# Altium PCB Archimajor.PcbDoc (part 6 of 13)
Units mil, origin at the board's own origin, x right, y up, seen from the top; angles counter-clockwise.
Board outline 7480.32 x 5511.81 mil, 6 copper layers (Top Layer, Top GND, Power Plane, Mid1, Bot GND, Bottom Layer), stack 69.913 mil thick; 1038 components, 682 nets, 3229 pads, 2870 vias.
Unrouted connection lines stored in the file: 97.
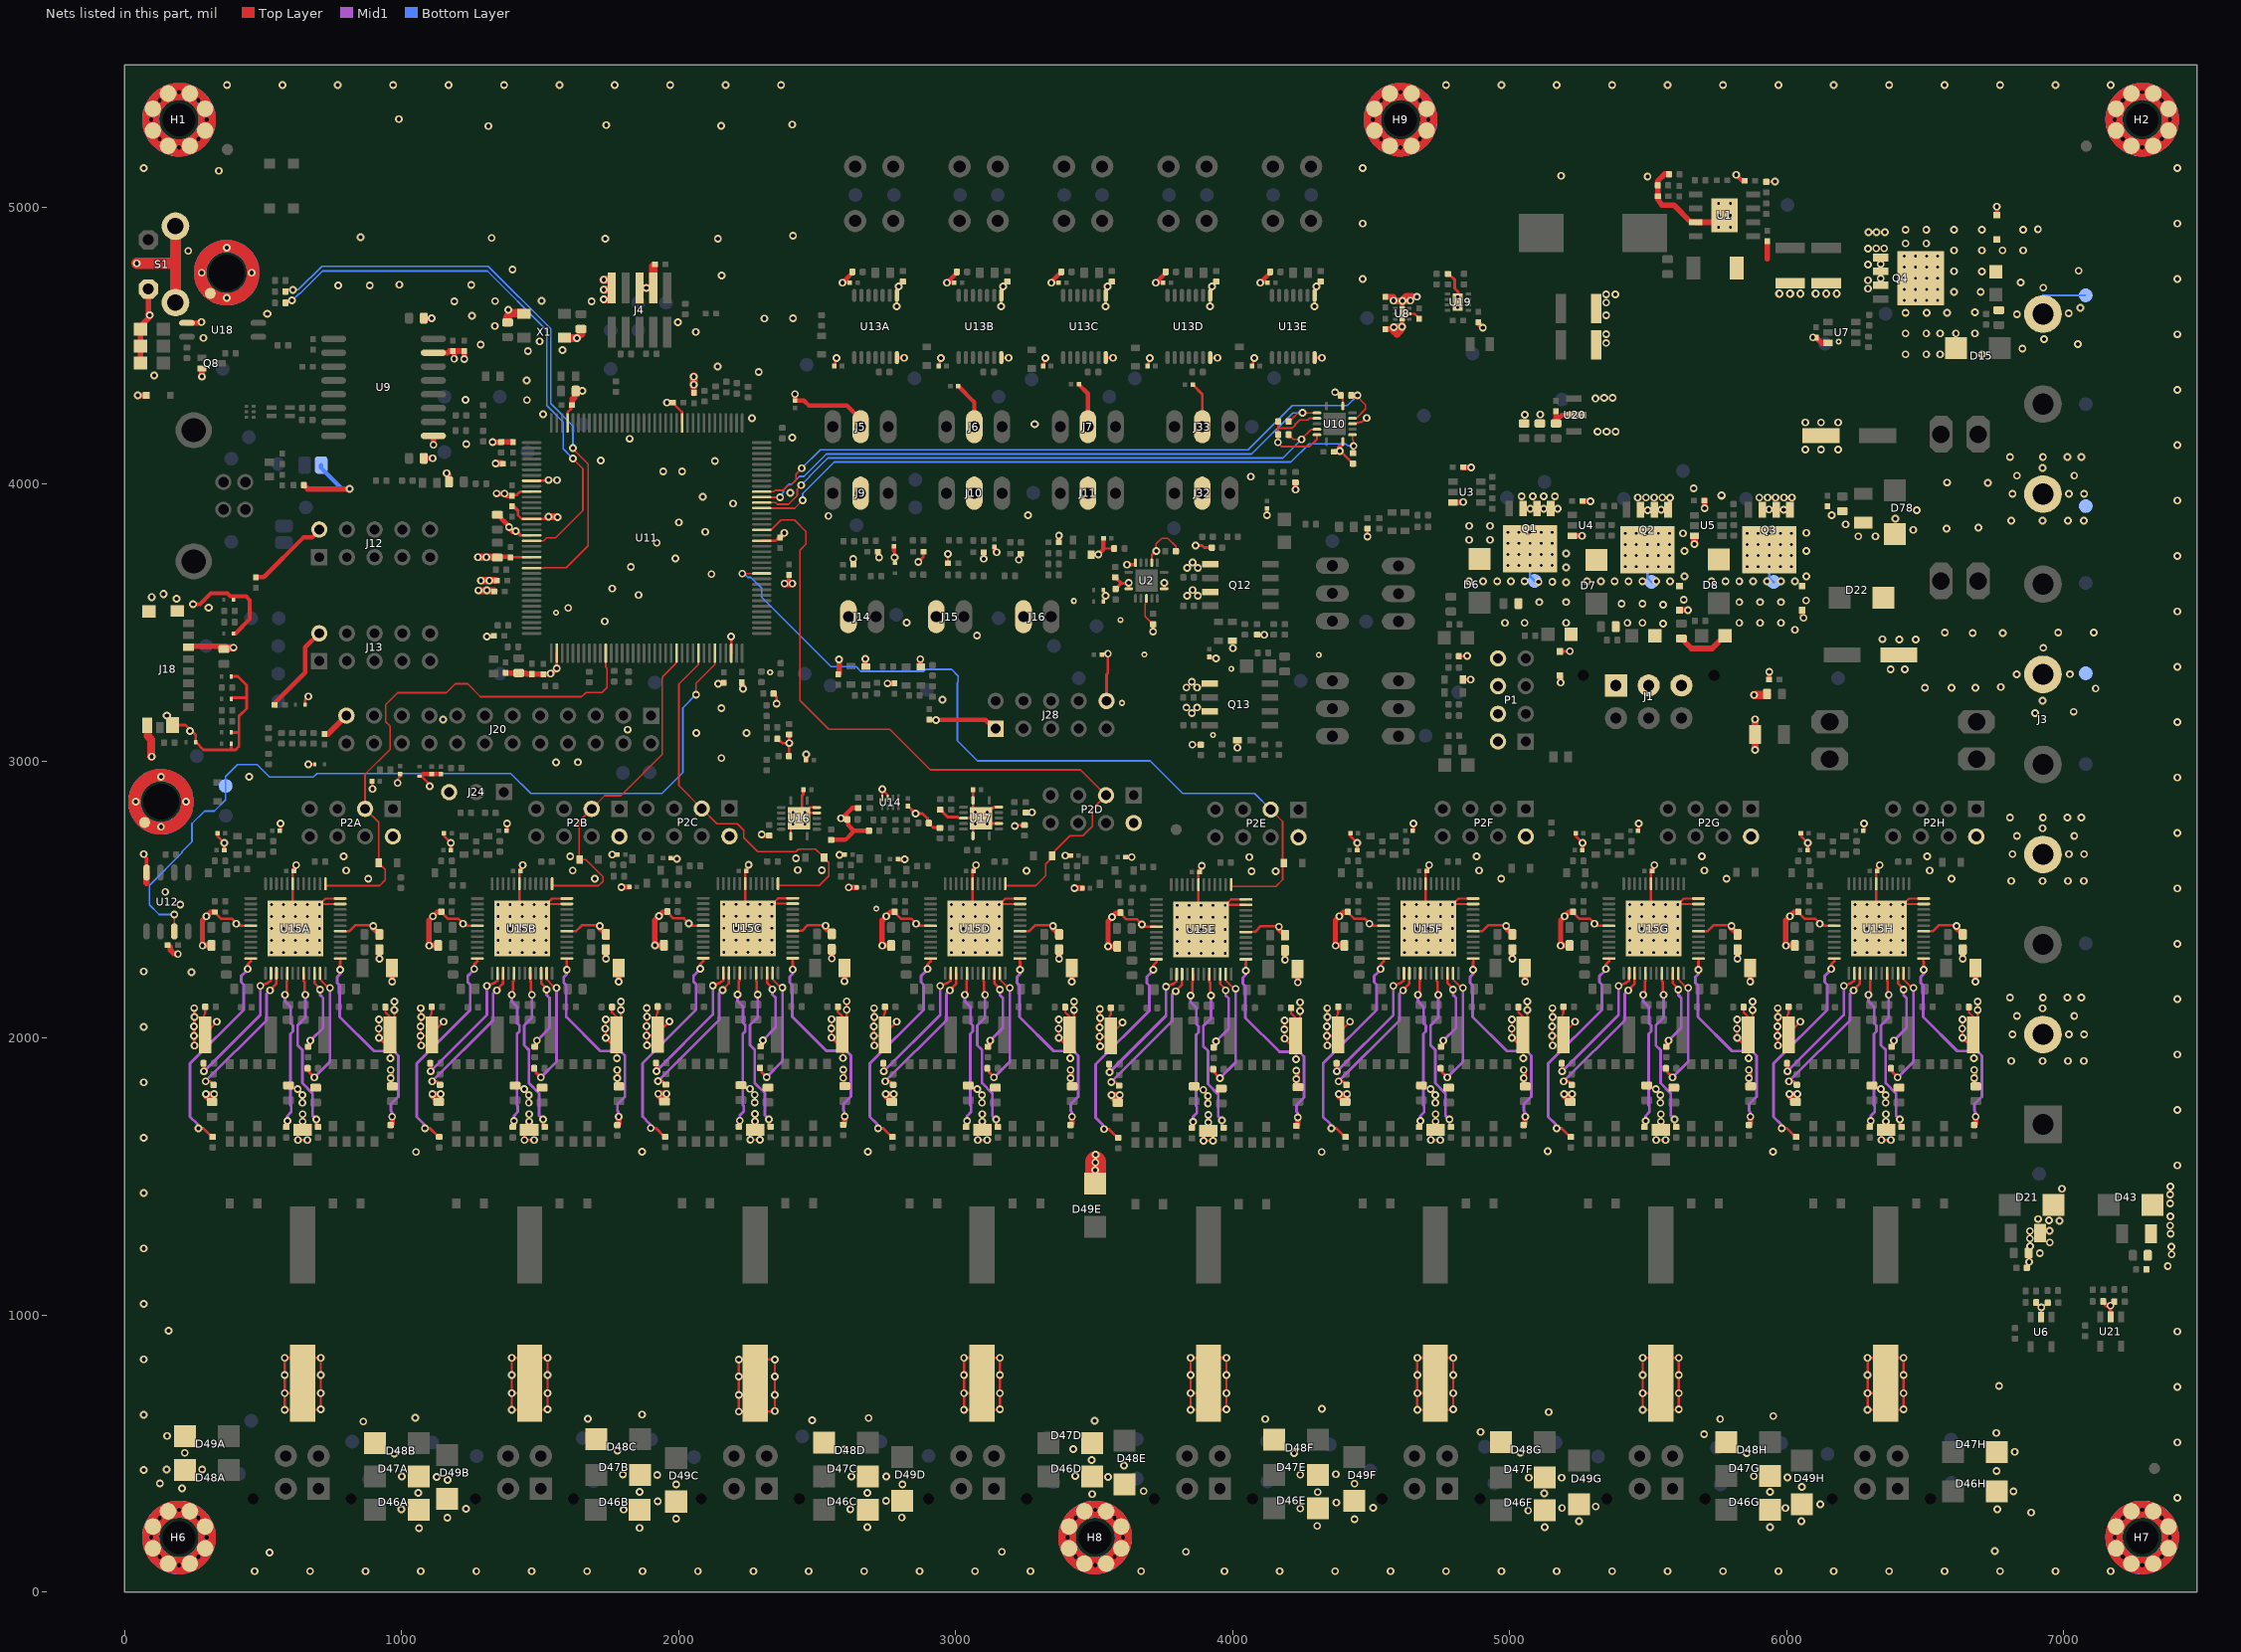
[diagram p10: the nets of this part, all layers, seen from the top]

## Via types
v1: diameter 28, hole 15, Top Layer to Bottom Layer, tented both sides, 2412 vias
v2: diameter 22, hole 10, Top Layer to Bottom Layer, 302 vias
v3: diameter 28, hole 15, Top Layer to Bottom Layer, 113 vias
v4: diameter 29, hole 15, Top Layer to Bottom Layer, tented both sides, 16 vias
v5: diameter 30, hole 15, Top Layer to Bottom Layer, 16 vias
v6: diameter 22, hole 10, Top Layer to Bottom Layer, tented both sides, 11 vias

## Nets (pads, with @x,y where several pads share a name; then routed paths per layer and width w, separated by ;. In a path a pad name is that pad's centre, name@x,y a point inside that pad or via, vN(x,y) a via of type N, cw(c..) or ccw(c..) an arc to the next point about the centre after c; other vN are vias at no path point) (continued)
GND: (continued)
  other v1: 470,75 670,75 870,75 1070,75 1270,75 1470,75 1670,75 1870,75 2070,75 2270,75 2470,75 2670,75 2870,75 3070,75 3270,75 3670,75 3970,75 4170,75 4370,75 4570,75 4770,75 4970,75 5170,75 5370,75 5570,75 5770,75 5970,75 6170,75 6370,75 6570,75 6770,75 6970,75 7170,75 524.16,142.74 3167.24,144.72 3831.61,144.72 6750.9,147.42 1062.91,230.35 1859.17,231.34 2682.01,234.29 5126.89,234.29 5939.92,234.29 4305.04,238.23 5250.18,254.96 6053.07,254.96 4439.76,262.83 1991.34,264.8 1165.32,267.76 2806.02,268.74 6881.94,287.04 5066.85,294.33 1802.09,297.28 999.92,298.27 2620,298.27 6759.76,298.27 1233.19,300.24 4244.02,301.22 5188.9,303.19 5995.98,303.19 4506.81,304.17 5310.94,308.11 6120.98,316.97 4373.94,322.87 1925.12,326.81 2748.94,329.47 7410,340 3493.03,353.39 5124.92,356.34 1060.94,357.32 2682.01,357.32 4307.38,360.28 1859.74,361.26 5939.88,361.26 6818.82,363.47 3679.05,364.21 207.6,374.06 6055.04,378.98 1991.34,387.83 2807.99,387.83 127.92,391.56 4439.76,390.79 1166.26,404.57 5068.82,412.44 5187.91,412.44 6002.87,413.43 1126.89,415.39 3550.12,415.39 1000.91,416.52 2623.94,417.3 2749.92,417.36 3432.01,418.35 5881.81,418.07 1923.15,422.76 4244.02,423.27 1799.13,424.25 4372.95,425.24 6757.79,437.05 70,440 152.48,441.97 280.43,441.97 3608.19,456.73 3491.06,476.42 974.33,500.04 5855.24,501.02 217.44,502.01 4221.38,501.61 5038.31,502.99 6822.76,505.94 1779.45,510.87 2598.35,513.82 3425.12,515.79 7410,540 154.45,563.03 5701.69,569.92 6756.81,573.86 4895.59,577.8 862.13,615.2 3502.2,617.76 2482.2,620.12 4118.03,624.06 5759.76,624.06 1673.15,625.04 2686.32,627.9 1049.88,628.68 5951.4,634.92 70,640 1868.88,640.38 5140.98,649.74 4322.76,660.66 7410,740 6766.26,744.19 70,840 7410,940 159.12,943.02 70,1040 7375.44,1176.31 6875.46,1191.91 7389.48,1218.43 6913.68,1223.11 70,1240 7388.7,1246.51 6878.58,1248.07 6949.56,1261.33 6877.8,1276.15 7385.58,1292.53 6877.8,1302.67 6948.78,1303.45 7384.02,1322.95 6984.66,1340.11 6947.22,1341.67 6907.44,1346.35 7384.8,1355.71 7384.02,1402.51 7384.02,1434.49 70,1440 6994.02,1455.55 7384.8,1464.13 3503.76,1522.56 7410,1540 3504.54,1550.64 3506.1,1578.72 1052.76,1588.15 4321.74,1588.15 2683.74,1588.93 1868.64,1589.71 5951.16,1589.71 5137.62,1591.27 70,1640 7410,1740 3910.74,1763.04 641.73,1766.02 1459.65,1766.02 3095.47,1766.02 4731.3,1766.02 5544.3,1766.02 6357.3,1766.02 2274.92,1766.97 3910.74,1790.72 641.73,1793.7 1459.65,1793.7 3095.47,1793.7 4731.3,1793.7 5544.3,1793.7 6357.3,1793.7 2274.92,1794.66 3894.01,1812.55 625,1815.53 1442.91,1815.53 3078.74,1815.53 4714.57,1815.53 5527.57,1815.53 6340.57,1815.53 2258.18,1816.49 70,1840 4230.12,1851.76 961.11,1854.74 1779.02,1854.74 3414.85,1854.74 5050.68,1854.74 5863.68,1854.74 6676.68,1854.74 2594.29,1855.7 4230.12,1881.55 961.11,1884.53 1779.02,1884.53 3414.85,1884.53 5050.68,1884.53 5863.68,1884.53 6676.68,1884.53 2594.29,1885.49 6810.96,1916.73 6923.28,1916.73 7015.32,1916.73 7072.26,1916.73 7410,1940 6814.86,2013.45 7019.22,2013.45 7073.82,2013.45 4187.01,2030.55 918,2033.53 1735.91,2033.53 3371.74,2033.53 5007.57,2033.53 5820.57,2033.53 6633.57,2033.53 2551.18,2034.49 3520.01,2038.55 70,2040 251,2041.53 1068.91,2041.53 2704.74,2041.53 4340.57,2041.53 5153.57,2041.53 5966.57,2041.53 1884.18,2042.49 3522.01,2072.55 253,2075.53 1070.91,2075.53 2706.74,2075.53 4342.57,2075.53 5155.57,2075.53 5968.57,2075.53 1886.18,2076.49 6831.24,2078.97 7037.94,2078.97 6924.06,2107.05 7410,2140 6806.28,2146.05 6924.84,2146.05 7012.98,2146.05 7063.68,2146.05 242.34,2237.11 70,2240 920,2285.53 1737.91,2285.53 3373.74,2285.53 5009.57,2285.53 5822.57,2285.53 6635.57,2285.53 7410,2340 3673.04,2409.44 404.03,2412.42 1221.94,2412.42 2857.77,2412.42 4493.6,2412.42 5306.6,2412.42 6119.6,2412.42 2037.22,2413.38 201.62,2481.13 147.36,2526.94 7410,2540 6810.96,2566.73 6923.28,2566.73 7015.32,2566.73 7072.26,2566.73 879.92,2575.2 1697.83,2575.2 4969.49,2575.2 5782.49,2575.2 6595.49,2575.2 4155.5,2601.25 4068.5,2601.75 3255.62,2603.72 800.2,2604.72 1618.11,2604.72 2517.23,2605.16 4889.76,2604.72 5702.76,2604.72 6515.76,2604.72 2430.22,2605.97 2423.93,2648.01 4060.35,2652.93 791.34,2655.91 1609.25,2655.91 4880.91,2655.91 5693.91,2655.91 6506.91,2655.91 6814.86,2663.45 7019.22,2663.45 7073.82,2663.45 6831.24,2728.97 7037.94,2728.97 7410,2740 6924.06,2757.05 2586.33,2792.69 6806.28,2796.05 6924.84,2796.05 7012.98,2796.05 7063.68,2796.05 3276.29,2814.35 7410,2940 449.8,2942.32 1558.07,2994.49 1636.81,2995.47 2155,3009.98 2064.45,3100.53 2245.55,3100.53 7410,3140 2928.85,3148.01 1150.59,3149.02 3852.83,3172.65 6896.76,3172.79 7035.6,3177.47 2155,3191.08 3833.33,3192.93 3872.33,3192.93 6924.06,3218.03 7115.16,3261.71 6499.02,3263.78 6595.29,3263.78 6681.1,3263.78 3833.33,3265.33 3872.33,3265.33 6772.74,3267.17 3852.83,3285.61 6830.46,3312.41 7022.34,3313.19 6374.94,3330.35 6426.42,3331.13 7410,3340 6926.4,3408.35 6406.14,3437.99 6346.08,3439.55 6465.42,3438.77 3077.48,3453.13 6671.26,3461.61 6780.51,3461.61 6570.87,3463.58 6980.22,3462.95 7108.14,3462.95 2823.56,3498.88 1733.27,3504.11 7410,3540 3835.8,3596.49 3874.8,3596.49 1856.17,3598.76 1277.6,3615.47 3855.3,3616.77 1761,3622.01 3835.8,3696.49 3874.8,3696.49 1827.76,3700.2 3855.3,3716.77 1989.13,3730.75 7410,3740 1921.2,3787.31 6258.72,3810.83 6320.34,3810.83 1412,3830.01 6456.84,3834.23 6576.96,3838.13 6691.62,3842.03 1388,3844.53 6212.7,3853.73 6810.96,3867.51 6923.28,3867.51 7015.32,3867.51 7072.26,3867.51 6392.1,3874.79 2540.99,3884.28 6162,3887.27 5498.12,3905.5 6469.32,3905.21 5547.12,3906.5 5989.11,3906.5 5936.11,3907.5 5074.12,3910.5 5123.12,3910.5 5173.03,3910.09 2196.57,3929.5 7410,3940 5462.59,3950.54 5492.12,3950.54 5521.65,3950.54 5551.17,3950.54 5579.52,3950.23 5901.03,3950.55 5930.55,3950.55 5960.08,3950.55 5989.61,3950.55 6019.14,3950.55 5043.12,3955.5 5083.12,3955.5 5123.12,3955.5 5163.12,3955.5 6814.86,3964.23 7019.22,3964.23 7073.82,3964.23 2403.26,3967.89 6725.94,4004.27 6579.3,4005.05 4065.8,4026.11 6831.24,4029.75 7037.94,4029.75 6924.06,4057.83 6806.28,4096.83 6924.84,4096.83 7012.98,4096.83 7063.68,4096.83 6066.84,4124.39 6123.6,4124.39 6185.4,4124.39 7410,4140 1233.48,4143.55 2410.15,4166.71 6067.62,4221.89 6123.6,4221.89 6186.18,4221.89 5055.12,4249.5 5110.12,4250.5 1511.3,4251.03 1452.77,4302.8 1230.81,4303.75 7410,4340 107.76,4391.78 2289.09,4403.91 2141,4424.01 1285.65,4503.13 5348.59,4508.78 285.13,4527.37 5348.59,4540.28 7410,4540 2061.73,4548.6 4581.87,4565.74 2309.58,4597.07 2413.32,4597.85 1254.38,4607.38 5348.46,4608.77 1385.32,4628.38 5348.59,4654.79 1190.43,4658.51 4612.87,4660.74 4581.38,4661.74 4641.38,4661.74 369,4671.98 5348.59,4683.98 5381.07,4683.98 6294.01,4704.65 771.37,4716.9 885.55,4716.9 1251.69,4717.89 991.85,4718.87 6294.01,4735.16 4470,4740 7410,4740 6339,4741.97 2155.14,4752.29 278.45,4762.53 459.55,4762.53 1400.48,4774.2 6294.01,4792.25 6339,4793.97 230.16,4841.03 6294.01,4849.34 6323,4849.97 6352,4849.97 369,4853.08 2141.88,4884.89 1735.5,4885.67 1325.22,4888.01 852.54,4890.35 2413.32,4895.81 6295.12,4908.94 6324.12,4908.94 6354.12,4908.94 4470,4940 7410,4940 5497.68,5110.16 341.12,5130.5 70,5140 4470,5140 7410,5140 1313.52,5292.05 2153.58,5292.83 1738.62,5295.17 2410.98,5297.51 990.61,5317.03 370,5440 570,5440 770,5440 970,5440 1170,5440 1370,5440 1570,5440 1770,5440 1970,5440 2170,5440 2370,5440 4770,5440 4970,5440 5170,5440 5370,5440 5570,5440 5770,5440 5970,5440 6170,5440 6370,5440 6570,5440 6770,5440 6970,5440 7170,5440
  other v2: 3799.81,2305.5 3843.12,2305.5 3886.43,2305.5 3929.74,2305.5 3973.04,2305.5 530.8,2308.48 574.11,2308.48 617.42,2308.48 660.72,2308.48 704.03,2308.48 1348.72,2308.48 1392.02,2308.48 1435.33,2308.48 1478.64,2308.48 1521.94,2308.48 2984.54,2308.48 3027.85,2308.48 3071.16,2308.48 3114.46,2308.48 3157.77,2308.48 4620.37,2308.48 4663.68,2308.48 4706.98,2308.48 4750.29,2308.48 4793.6,2308.48 5433.37,2308.48 5476.68,2308.48 5519.98,2308.48 5563.29,2308.48 5606.6,2308.48 6246.37,2308.48 6289.68,2308.48 6332.98,2308.48 6376.29,2308.48 6419.6,2308.48 2163.99,2309.44 2207.29,2309.44 2250.6,2309.44 2293.91,2309.44 2337.22,2309.44 3799.81,2348.81 3843.12,2348.81 3886.43,2348.81 3929.74,2348.81 3973.04,2348.81 530.8,2351.79 574.11,2351.79 617.42,2351.79 660.72,2351.79 704.03,2351.79 1348.72,2351.79 1392.02,2351.79 1435.33,2351.79 1478.64,2351.79 1521.94,2351.79 2984.54,2351.79 3027.85,2351.79 3071.16,2351.79 3114.46,2351.79 3157.77,2351.79 4620.37,2351.79 4663.68,2351.79 4706.98,2351.79 4750.29,2351.79 4793.6,2351.79 5433.37,2351.79 5476.68,2351.79 5519.98,2351.79 5563.29,2351.79 5606.6,2351.79 6246.37,2351.79 6289.68,2351.79 6332.98,2351.79 6376.29,2351.79 6419.6,2351.79 2163.99,2352.75 2207.29,2352.75 2250.6,2352.75 2293.91,2352.75 2337.22,2352.75 3799.81,2392.12 3843.12,2392.12 3929.74,2392.12 3973.04,2392.12 530.8,2395.09 574.11,2395.09 660.72,2395.09 704.03,2395.09 1348.72,2395.09 1392.02,2395.09 1478.64,2395.09 1521.94,2395.09 2984.54,2395.09 3027.85,2395.09 3114.46,2395.09 3157.77,2395.09 4620.37,2395.09 4663.68,2395.09 4750.29,2395.09 4793.6,2395.09 5433.37,2395.09 5476.68,2395.09 5563.29,2395.09 5606.6,2395.09 6246.37,2395.09 6289.68,2395.09 6376.29,2395.09 6419.6,2395.09 2163.99,2396.05 2207.29,2396.05 2293.91,2396.05 2337.22,2396.05 3799.81,2435.42 3843.12,2435.42 3886.43,2435.42 3929.74,2435.42 3973.04,2435.42 530.8,2438.4 574.11,2438.4 617.42,2438.4 704.03,2438.4 1348.72,2438.4 1392.02,2438.4 1435.33,2438.4 1478.64,2438.4 1521.94,2438.4 2984.54,2438.4 3027.85,2438.4 3071.16,2438.4 3114.46,2438.4 3157.77,2438.4 4620.37,2438.4 4663.68,2438.4 4706.98,2438.4 4750.29,2438.4 4793.6,2438.4 5433.37,2438.4 5476.68,2438.4 5519.98,2438.4 5563.29,2438.4 5606.6,2438.4 6246.37,2438.4 6289.68,2438.4 6332.98,2438.4 6376.29,2438.4 6419.6,2438.4 2163.99,2439.36 2207.29,2439.36 2250.6,2439.36 2293.91,2439.36 2337.22,2439.36 3799.81,2478.73 3843.12,2478.73 3886.43,2478.73 3929.74,2478.73 530.8,2481.71 574.11,2481.71 617.42,2481.71 660.72,2481.71 1348.72,2481.71 1392.02,2481.71 1435.33,2481.71 1478.64,2481.71 2984.54,2481.71 3027.85,2481.71 3071.16,2481.71 3114.46,2481.71 4620.37,2481.71 4663.68,2481.71 4706.98,2481.71 4750.29,2481.71 5433.37,2481.71 5476.68,2481.71 5519.98,2481.71 5563.29,2481.71 6246.37,2481.71 6289.68,2481.71 6332.98,2481.71 6376.29,2481.71 2163.99,2482.67 2207.29,2482.67 2250.6,2482.67 2293.91,2482.67 2413.11,2771.04 2456.41,2771.04 3070.87,2772.05 3114.17,2772.05 2413.11,2814.35 2456.41,2814.35 3114.17,2815.35 4812.95,4636.83 4812.95,4676.2 5753.69,4926.4 5797,4926.4 5753.69,4969.71 5797,4969.71 5753.69,5013.02 5797,5013.02
  other v3: 131.89,2762.2 41.34,2852.76 222.44,2852.76 986.22,2920.67 131.89,2943.31 1816.07,3112.81 2872.52,3367.37 2674.85,3368.51 1601.69,3552.46 3541.04,3595.88 2119.09,3674.61 2096.18,3827.14 2001.22,3861.02 2087.83,3953.9 5664.1,3983.67 1561,4013.53 1944.37,4045.32 2013,4045.01 2131.61,4083.05 1719,4084.53 1823,4163.01 5382.55,4188.24 2265,4237.01 5371.72,4311.28 1452.24,4373.08 1456.18,4479.38 1581.64,4483.02 1498.5,4514.81 1337.45,4569.9 1997.75,4584.03 1686.24,4658.89 1338.16,4659.66 1505.31,4661 5185.68,5112.13
  other v4: 237,3108.53 153,3164.01 2952.48,3220.84 187.99,3585.87 98,3591.53 140.75,3602.61 3261.1,3887.06 5317.59,4188.24 5350.07,4189.23 3285.71,4215.8 5309.72,4308.32 5341.21,4310.29
  other v5: 304,3553.01 5764.81,3958.42 515.75,4614.22 5973.59,4686.93 6011.98,4686.93 6049.38,4686.93 6104.5,4686.93 6142.88,4686.93 6180.28,4686.93
  other v6: 2713.58,2466.54 3928.85,3093.5 3600.39,3209.65 2330.71,3319.88 3995.08,3332.68 4311.02,3382.87 3681.1,3383.86 3595.47,3508.86 1558.07,3535.43 3427.17,3577.63 6187.99,4513.78
HA1A: R164A.1 U15A.41 | length 568.9
  Top Layer w9: v1@585.2,2166.43 585.2,2204.81 587.89,2207.5 U15A.41@587.89,2233.68
  Top Layer w10: R164A.1@586.27,1678.53 588,1680.26 v1(588,1700.53)
  Mid1 w10: v1(579.65,2155.87) 579.65,2132.47 592.48,2119.64 600,2112.12 600,2053.3 608,2045.3 608,2023.76 599,2014.76 599,1757.3 602,1754.3 602,1732.76 588,1718.76 v1(588,1700.53)
HA1B: R164B.1 U15B.41 | length 568.9
  Top Layer w9: v1@1403.12,2166.43 1403.12,2204.81 1405.8,2207.5 U15B.41@1405.8,2233.68
  Top Layer w10: R164B.1@1404.18,1678.53 1405.91,1680.26 v1(1405.91,1700.53)
  Mid1 w10: v1(1397.56,2155.87) 1397.56,2132.47 1410.39,2119.64 1417.91,2112.12 1417.91,2053.3 1425.91,2045.3 1425.91,2023.76 1416.91,2014.76 1416.91,1757.3 1419.91,1754.3 1419.91,1732.76 1405.91,1718.76 v1(1405.91,1700.53)
HA1C: R164C.1 U15C.41 | length 568.9
  Top Layer w9: v1@2218.39,2167.38 2218.39,2205.77 2221.07,2208.46 U15C.41@2221.07,2234.64
  Top Layer w10: R164C.1@2219.45,1679.49 2221.18,1681.22 v1(2221.18,1701.49)
  Mid1 w10: v1(2212.83,2156.83) 2212.83,2133.43 2225.67,2120.6 2233.18,2113.08 2233.18,2054.26 2241.18,2046.26 2241.18,2024.72 2232.18,2015.72 2232.18,1758.26 2235.18,1755.26 2235.18,1733.72 2221.18,1719.72 v1(2221.18,1701.49)
HA1D: R164D.1 U15D.41 | length 568.9
  Top Layer w9: v1@3038.94,2166.43 3038.94,2204.81 3041.63,2207.5 U15D.41@3041.63,2233.68
  Top Layer w10: R164D.1@3040.01,1678.53 3041.74,1680.26 v1(3041.74,1700.53)
  Mid1 w10: v1(3033.39,2155.87) 3033.39,2132.47 3046.22,2119.64 3053.74,2112.12 3053.74,2053.3 3061.74,2045.3 3061.74,2023.76 3052.74,2014.76 3052.74,1757.3 3055.74,1754.3 3055.74,1732.76 3041.74,1718.76 v1(3041.74,1700.53)
HA1E: R164E.1 U15E.41 | length 568.9
  Top Layer w9: v1@3854.22,2163.45 3854.22,2201.83 3856.9,2204.52 U15E.41@3856.9,2230.7
  Top Layer w10: R164E.1@3855.28,1675.55 3857.01,1677.28 v1(3857.01,1697.55)
  Mid1 w10: v1(3848.66,2152.9) 3848.66,2129.5 3861.49,2116.66 3869.01,2109.14 3869.01,2050.32 3877.01,2042.32 3877.01,2020.78 3868.01,2011.78 3868.01,1754.32 3871.01,1751.32 3871.01,1729.78 3857.01,1715.78 v1(3857.01,1697.55)
HA1F: R164F.1 U15F.41 | length 568.9
  Top Layer w9: v1@4674.77,2166.43 4674.77,2204.81 4677.46,2207.5 U15F.41@4677.46,2233.68
  Top Layer w10: R164F.1@4675.83,1678.53 4677.57,1680.26 v1(4677.57,1700.53)
  Mid1 w10: v1(4669.21,2155.87) 4669.21,2132.47 4682.05,2119.64 4689.57,2112.12 4689.57,2053.3 4697.57,2045.3 4697.57,2023.76 4688.57,2014.76 4688.57,1757.3 4691.57,1754.3 4691.57,1732.76 4677.57,1718.76 v1(4677.57,1700.53)
HA1G: R164G.1 U15G.41 | length 568.9
  Top Layer w9: v1@5487.77,2166.43 5487.77,2204.81 5490.46,2207.5 U15G.41@5490.46,2233.68
  Top Layer w10: R164G.1@5488.83,1678.53 5490.57,1680.26 v1(5490.57,1700.53)
  Mid1 w10: v1(5482.21,2155.87) 5482.21,2132.47 5495.05,2119.64 5502.57,2112.12 5502.57,2053.3 5510.57,2045.3 5510.57,2023.76 5501.57,2014.76 5501.57,1757.3 5504.57,1754.3 5504.57,1732.76 5490.57,1718.76 v1(5490.57,1700.53)
HA1H: R164H.1 U15H.41 | length 568.9
  Top Layer w9: v1@6300.77,2166.43 6300.77,2204.81 6303.46,2207.5 U15H.41@6303.46,2233.68
  Top Layer w10: R164H.1@6301.83,1678.53 6303.57,1680.26 v1(6303.57,1700.53)
  Mid1 w10: v1(6295.21,2155.87) 6295.21,2132.47 6308.05,2119.64 6315.57,2112.12 6315.57,2053.3 6323.57,2045.3 6323.57,2023.76 6314.57,2014.76 6314.57,1757.3 6317.57,1754.3 6317.57,1732.76 6303.57,1718.76 v1(6303.57,1700.53)
HA2A: R165A.2 U15A.36 | length 784
  Top Layer w9: 456,2276.53 U15A.36@456,2286.83
  Top Layer w10: v1(266.73,1673.62) 284.91,1673.62 R165A.2@316,1642.53 ; v1(444.7,2249.17) 444.7,2265.23 456,2276.53
  Mid1 w10: v1@262.79,1675.59 262.79,1689.37 237,1715.17 237,1907.98 430.32,2101.31 430.32,2192.43 421.32,2201.43 421.32,2223.8 437.14,2239.61 440.09,2239.61 444.7,2244.22 v1(444.7,2249.17)
HA2B: R165B.2 U15B.36 | length 784
  Top Layer w9: 1273.91,2276.53 U15B.36@1273.91,2286.83
  Top Layer w10: v1(1084.65,1673.62) 1102.82,1673.62 R165B.2@1133.91,1642.53 ; v1(1262.61,2249.17) 1262.61,2265.23 1273.91,2276.53
  Mid1 w10: v1@1080.71,1675.59 1080.71,1689.37 1054.91,1715.17 1054.91,1907.98 1248.24,2101.31 1248.24,2192.43 1239.24,2201.43 1239.24,2223.8 1255.05,2239.61 1258,2239.61 1262.61,2244.22 v1(1262.61,2249.17)
HA2C: R165C.2 U15C.36 | length 784
  Top Layer w9: 2089.18,2277.49 U15C.36@2089.18,2287.79
  Top Layer w10: v1(1899.92,1674.58) 1918.09,1674.58 R165C.2@1949.18,1643.49 ; v1(2077.88,2250.13) 2077.88,2266.18 2089.18,2277.49
  Mid1 w10: v1@1895.98,1676.55 1895.98,1690.33 1870.18,1716.12 1870.18,1908.94 2063.51,2102.27 2063.51,2193.39 2054.51,2202.39 2054.51,2224.76 2070.32,2240.57 2073.27,2240.57 2077.88,2245.18 v1(2077.88,2250.13)
HA2D: R165D.2 U15D.36 | length 784
  Top Layer w9: 2909.74,2276.53 U15D.36@2909.74,2286.83
  Top Layer w10: v1(2720.47,1673.62) 2738.65,1673.62 R165D.2@2769.74,1642.53 ; v1(2898.44,2249.17) 2898.44,2265.23 2909.74,2276.53
  Mid1 w10: v1@2716.54,1675.59 2716.53,1689.37 2690.74,1715.17 2690.74,1907.98 2884.06,2101.31 2884.06,2192.43 2875.06,2201.43 2875.06,2223.8 2890.88,2239.61 2893.83,2239.61 2898.44,2244.22 v1(2898.44,2249.17)
HA2E: R165E.2 U15E.36 | length 784
  Top Layer w9: 3725.01,2273.55 U15E.36@3725.01,2283.85
  Top Layer w10: v1(3535.74,1670.64) 3553.92,1670.64 R165E.2@3585.01,1639.55 ; v1(3713.71,2246.2) 3713.71,2262.25 3725.01,2273.55
  Mid1 w10: v1@3531.81,1672.61 3531.81,1686.39 3506.01,1712.19 3506.01,1905.01 3699.33,2098.33 3699.33,2189.45 3690.33,2198.45 3690.33,2220.82 3706.15,2236.64 3709.1,2236.64 3713.71,2241.25 v1(3713.71,2246.2)
HA2F: R165F.2 U15F.36 | length 784
  Top Layer w9: 4545.57,2276.53 U15F.36@4545.57,2286.83
  Top Layer w10: v1(4356.3,1673.62) 4374.47,1673.62 R165F.2@4405.57,1642.53 ; v1(4534.26,2249.17) 4534.26,2265.23 4545.57,2276.53
  Mid1 w10: v1@4352.36,1675.59 4352.36,1689.37 4326.57,1715.17 4326.57,1907.98 4519.89,2101.31 4519.89,2192.43 4510.89,2201.43 4510.89,2223.8 4526.71,2239.61 4529.65,2239.61 4534.26,2244.22 v1(4534.26,2249.17)
HA2G: R165G.2 U15G.36 | length 784
  Top Layer w9: 5358.57,2276.53 U15G.36@5358.57,2286.83
  Top Layer w10: v1(5169.3,1673.62) 5187.47,1673.62 R165G.2@5218.57,1642.53 ; v1(5347.26,2249.17) 5347.26,2265.23 5358.57,2276.53
  Mid1 w10: v1@5165.36,1675.59 5165.36,1689.37 5139.57,1715.17 5139.57,1907.98 5332.89,2101.31 5332.89,2192.43 5323.89,2201.43 5323.89,2223.8 5339.71,2239.61 5342.65,2239.61 5347.26,2244.22 v1(5347.26,2249.17)
HA2H: R165H.2 U15H.36 | length 784
  Top Layer w9: 6171.57,2276.53 U15H.36@6171.57,2286.83
  Top Layer w10: v1(5982.3,1673.62) 6000.47,1673.62 R165H.2@6031.57,1642.53 ; v1(6160.26,2249.17) 6160.26,2265.23 6171.57,2276.53
  Mid1 w10: v1@5978.36,1675.59 5978.36,1689.37 5952.57,1715.17 5952.57,1907.98 6145.89,2101.31 6145.89,2192.43 6136.89,2201.43 6136.89,2223.8 6152.71,2239.61 6155.65,2239.61 6160.26,2244.22 v1(6160.26,2249.17)
HB1A: R110A.1 U15A.1 | length 750.1
  Top Layer w9: 778.83,2274.53 U15A.1@778.83,2286.83
  Top Layer w10: v1(778.83,2246.08) 778.83,2274.53
  Top Layer w20: R110A.1@961,1685.43 966.58,1691.01 v1(966.58,1716.01)
  Mid1 w10: v1(778.83,2246.08) 778.83,2231.13 768,2220.3 768,2198.76 777,2189.76 777,2075.76 900.16,1952.6 918,1952.6 972.01,1952.6 988.91,1935.7 988.91,1787.88 961.95,1760.93 961.95,1736.28 965.31,1732.91 v1@965.31,1724.8 ; v1@962.01,1716.01 v1(966.58,1716.01)
HB1B: R110B.1 U15B.1 | length 750.1
  Top Layer w9: 1596.75,2274.53 U15B.1@1596.75,2286.83
  Top Layer w10: v1(1596.75,2246.08) 1596.75,2274.53
  Top Layer w20: R110B.1@1778.91,1685.43 1784.5,1691.01 v1(1784.5,1716.01)
  Mid1 w10: v1(1596.75,2246.08) 1596.75,2231.13 1585.91,2220.3 1585.91,2198.76 1594.91,2189.76 1594.91,2075.76 1718.07,1952.6 1735.91,1952.6 1789.92,1952.6 1806.82,1935.7 1806.82,1787.88 1779.87,1760.93 1779.87,1736.28 1783.23,1732.91 v1@1783.23,1724.8 ; v1@1779.92,1716.01 v1(1784.5,1716.01)